# Altium PCB Freezer_Power.PcbDoc (part 1 of 3) (continued)
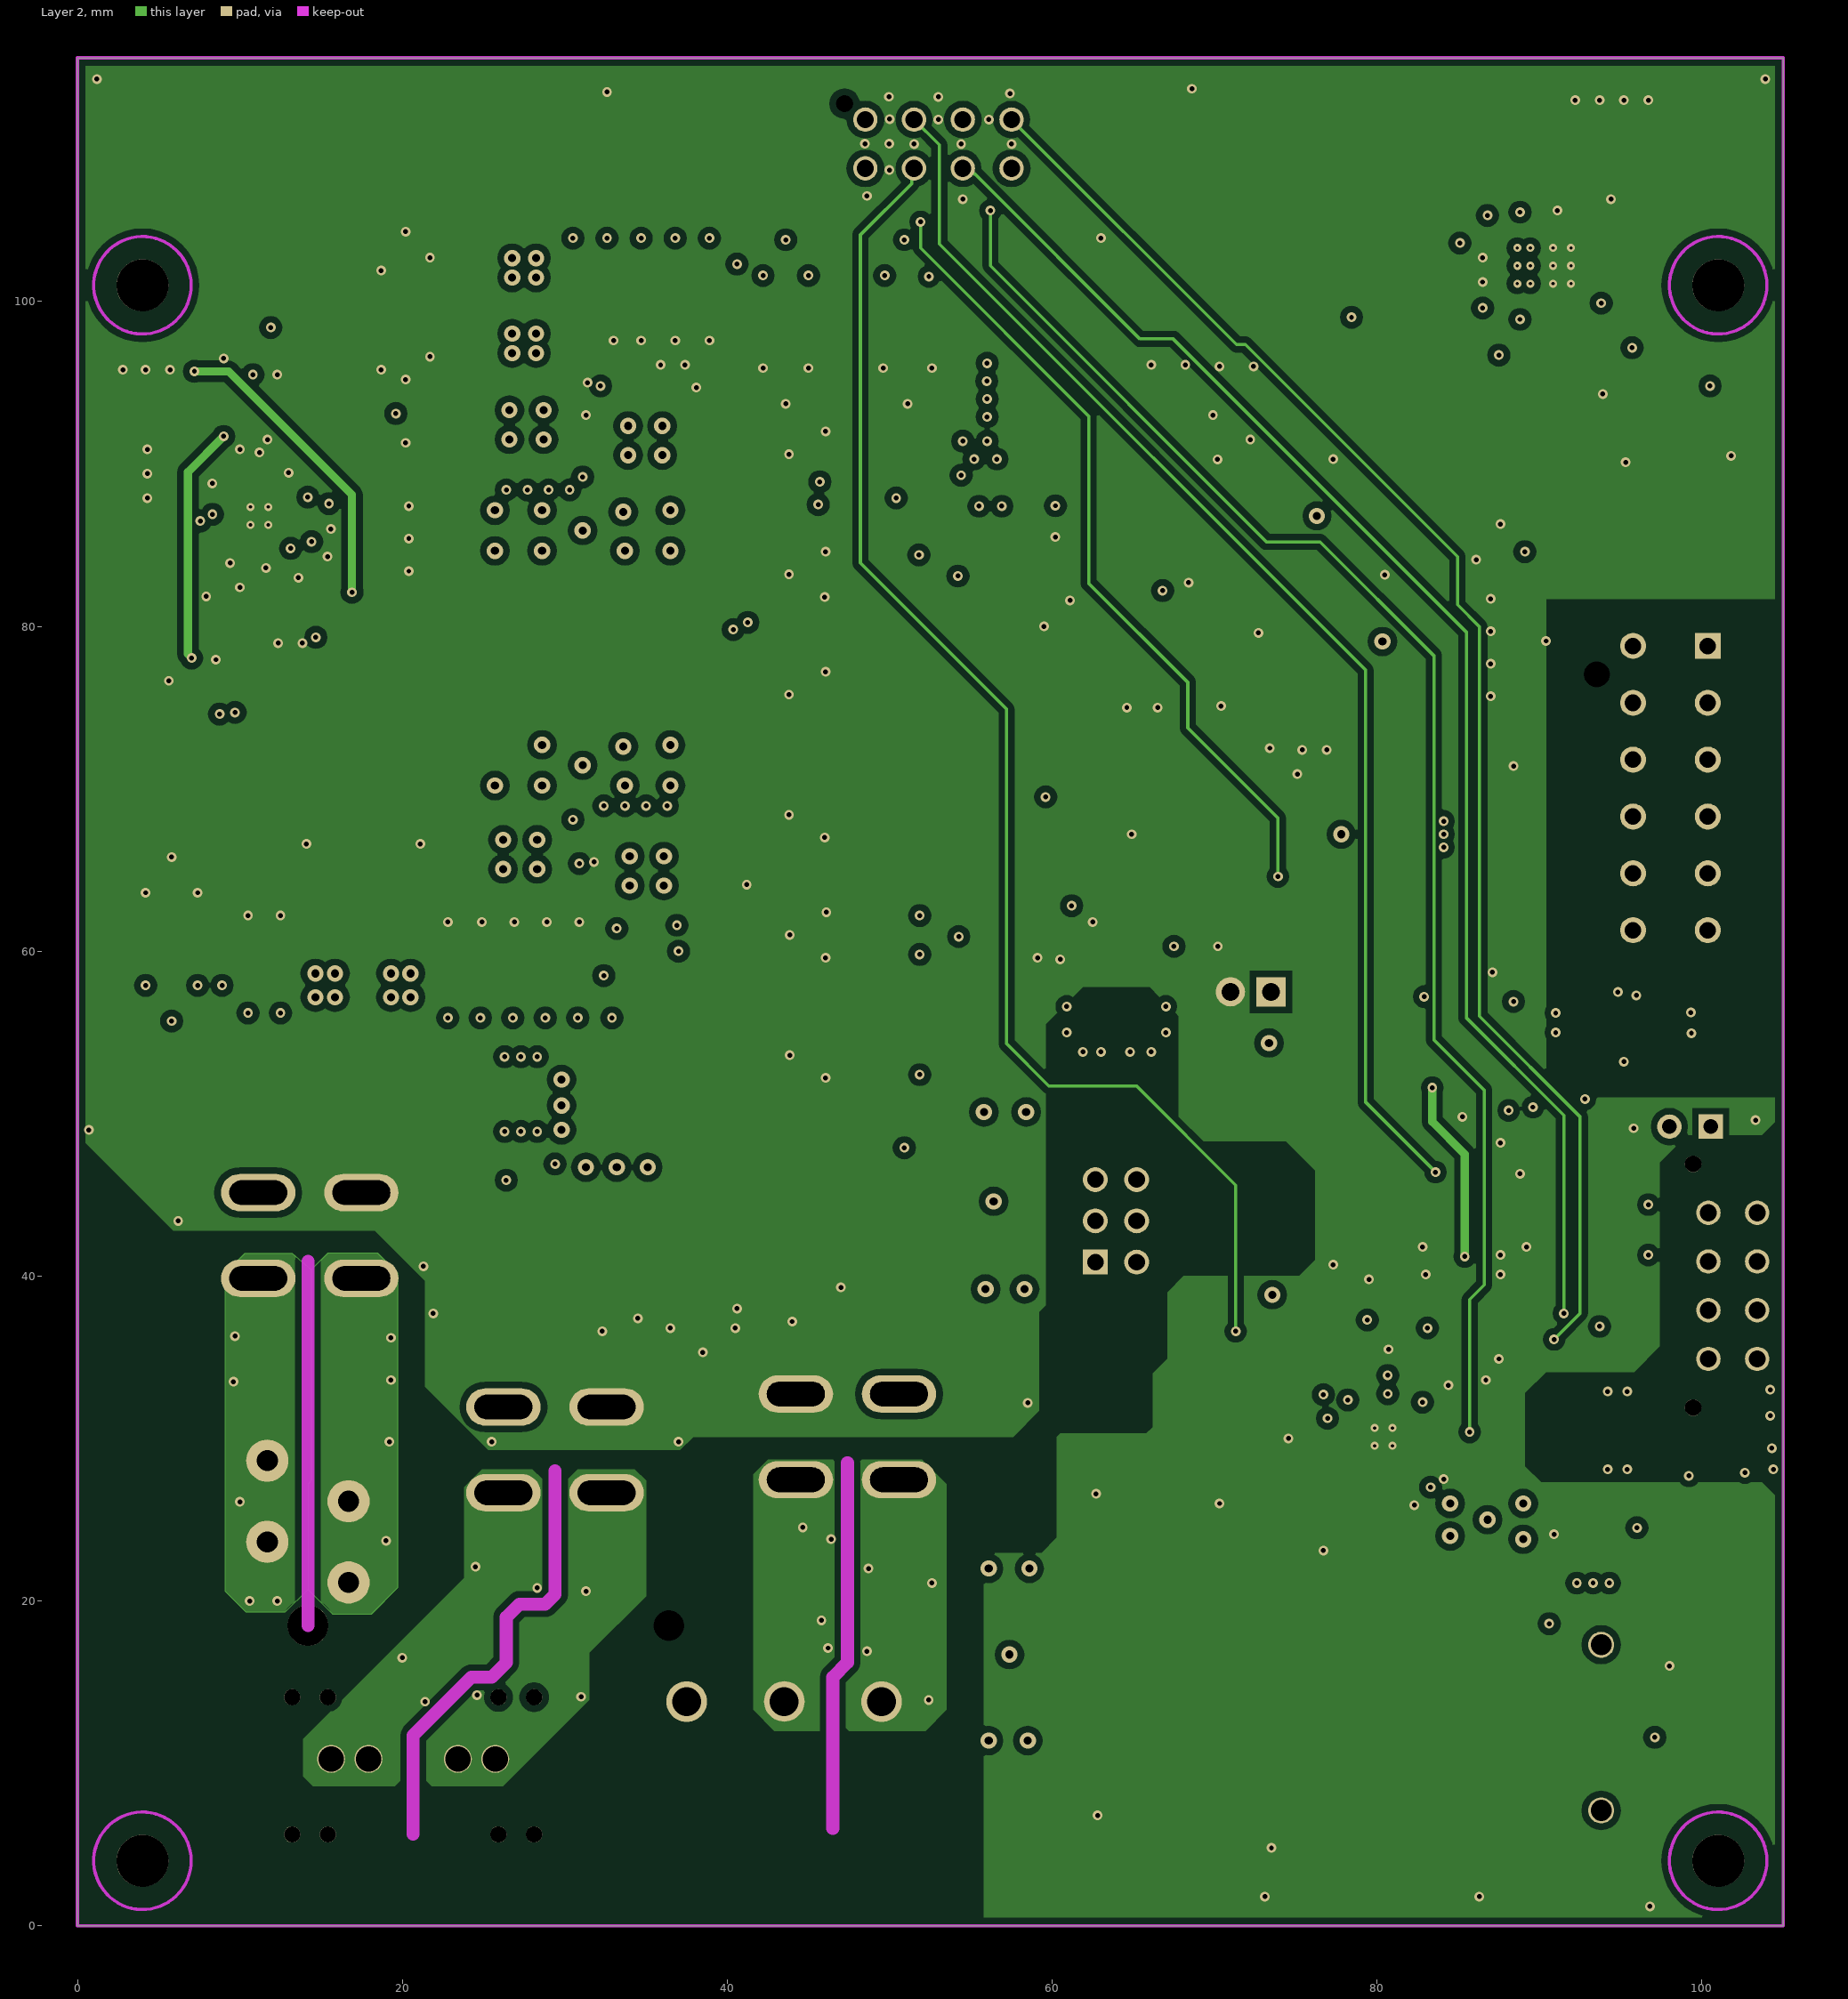
[diagram p3: Layer 2]
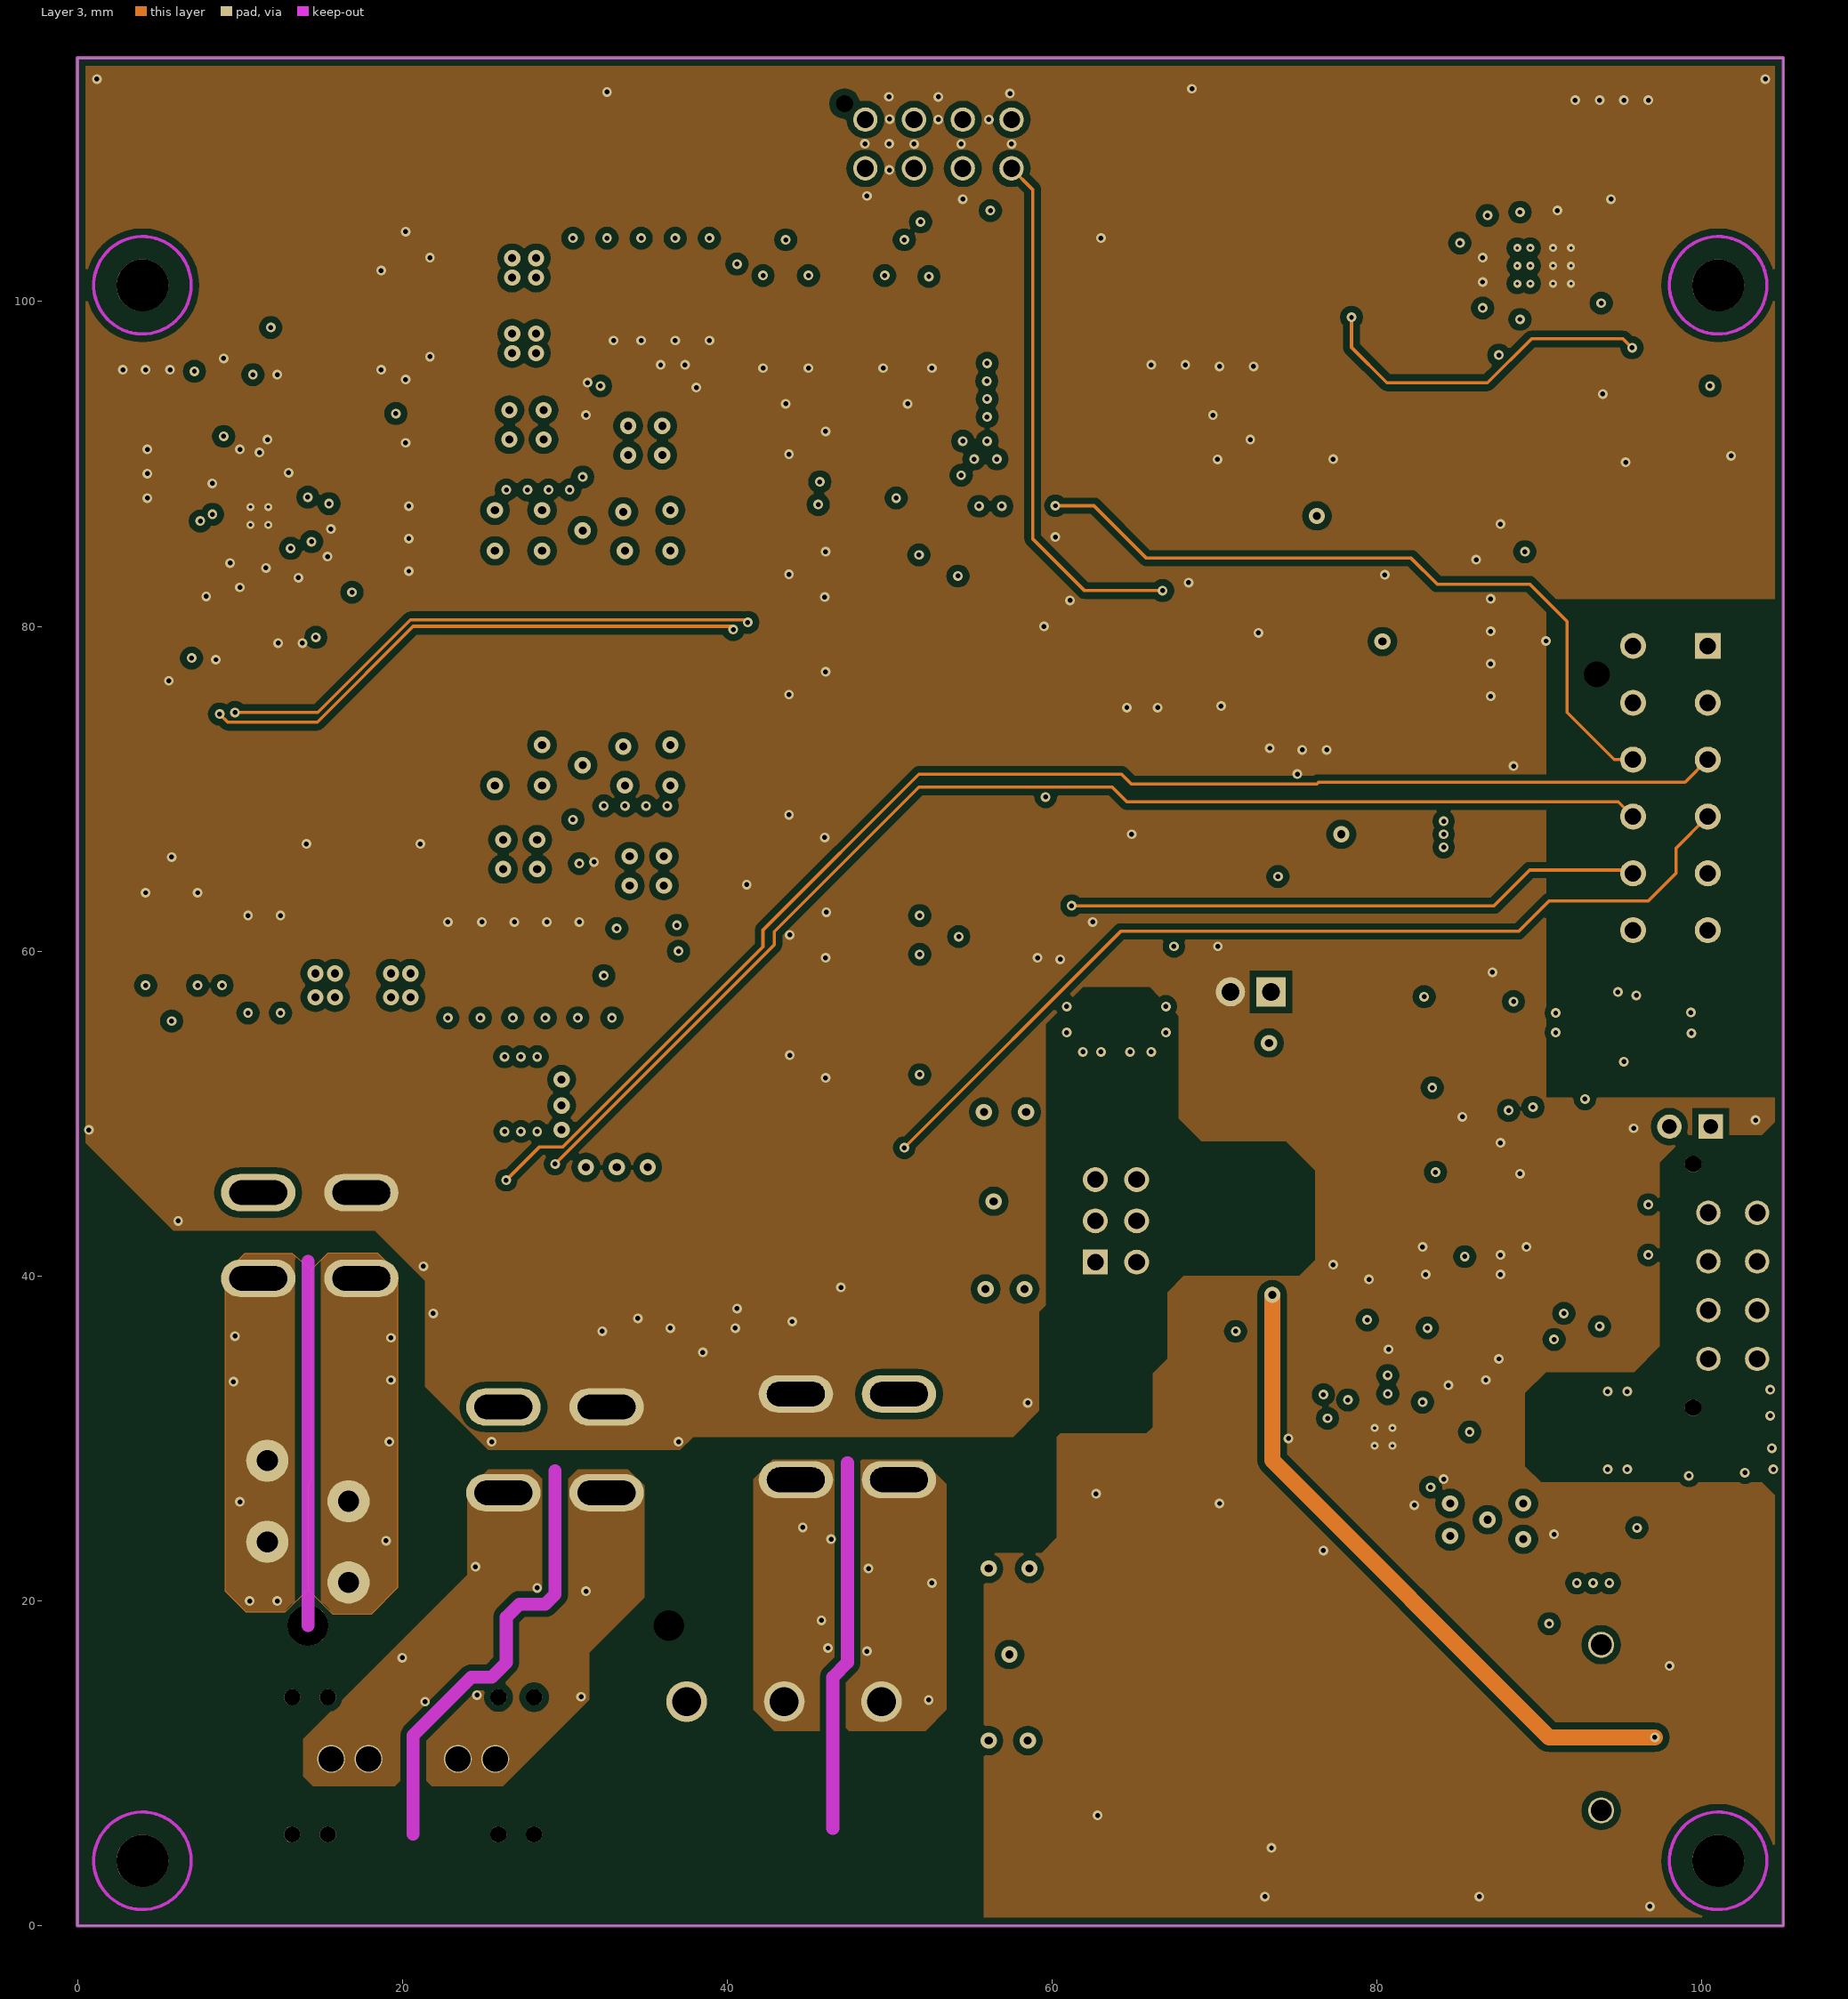
[diagram p4: Layer 3]
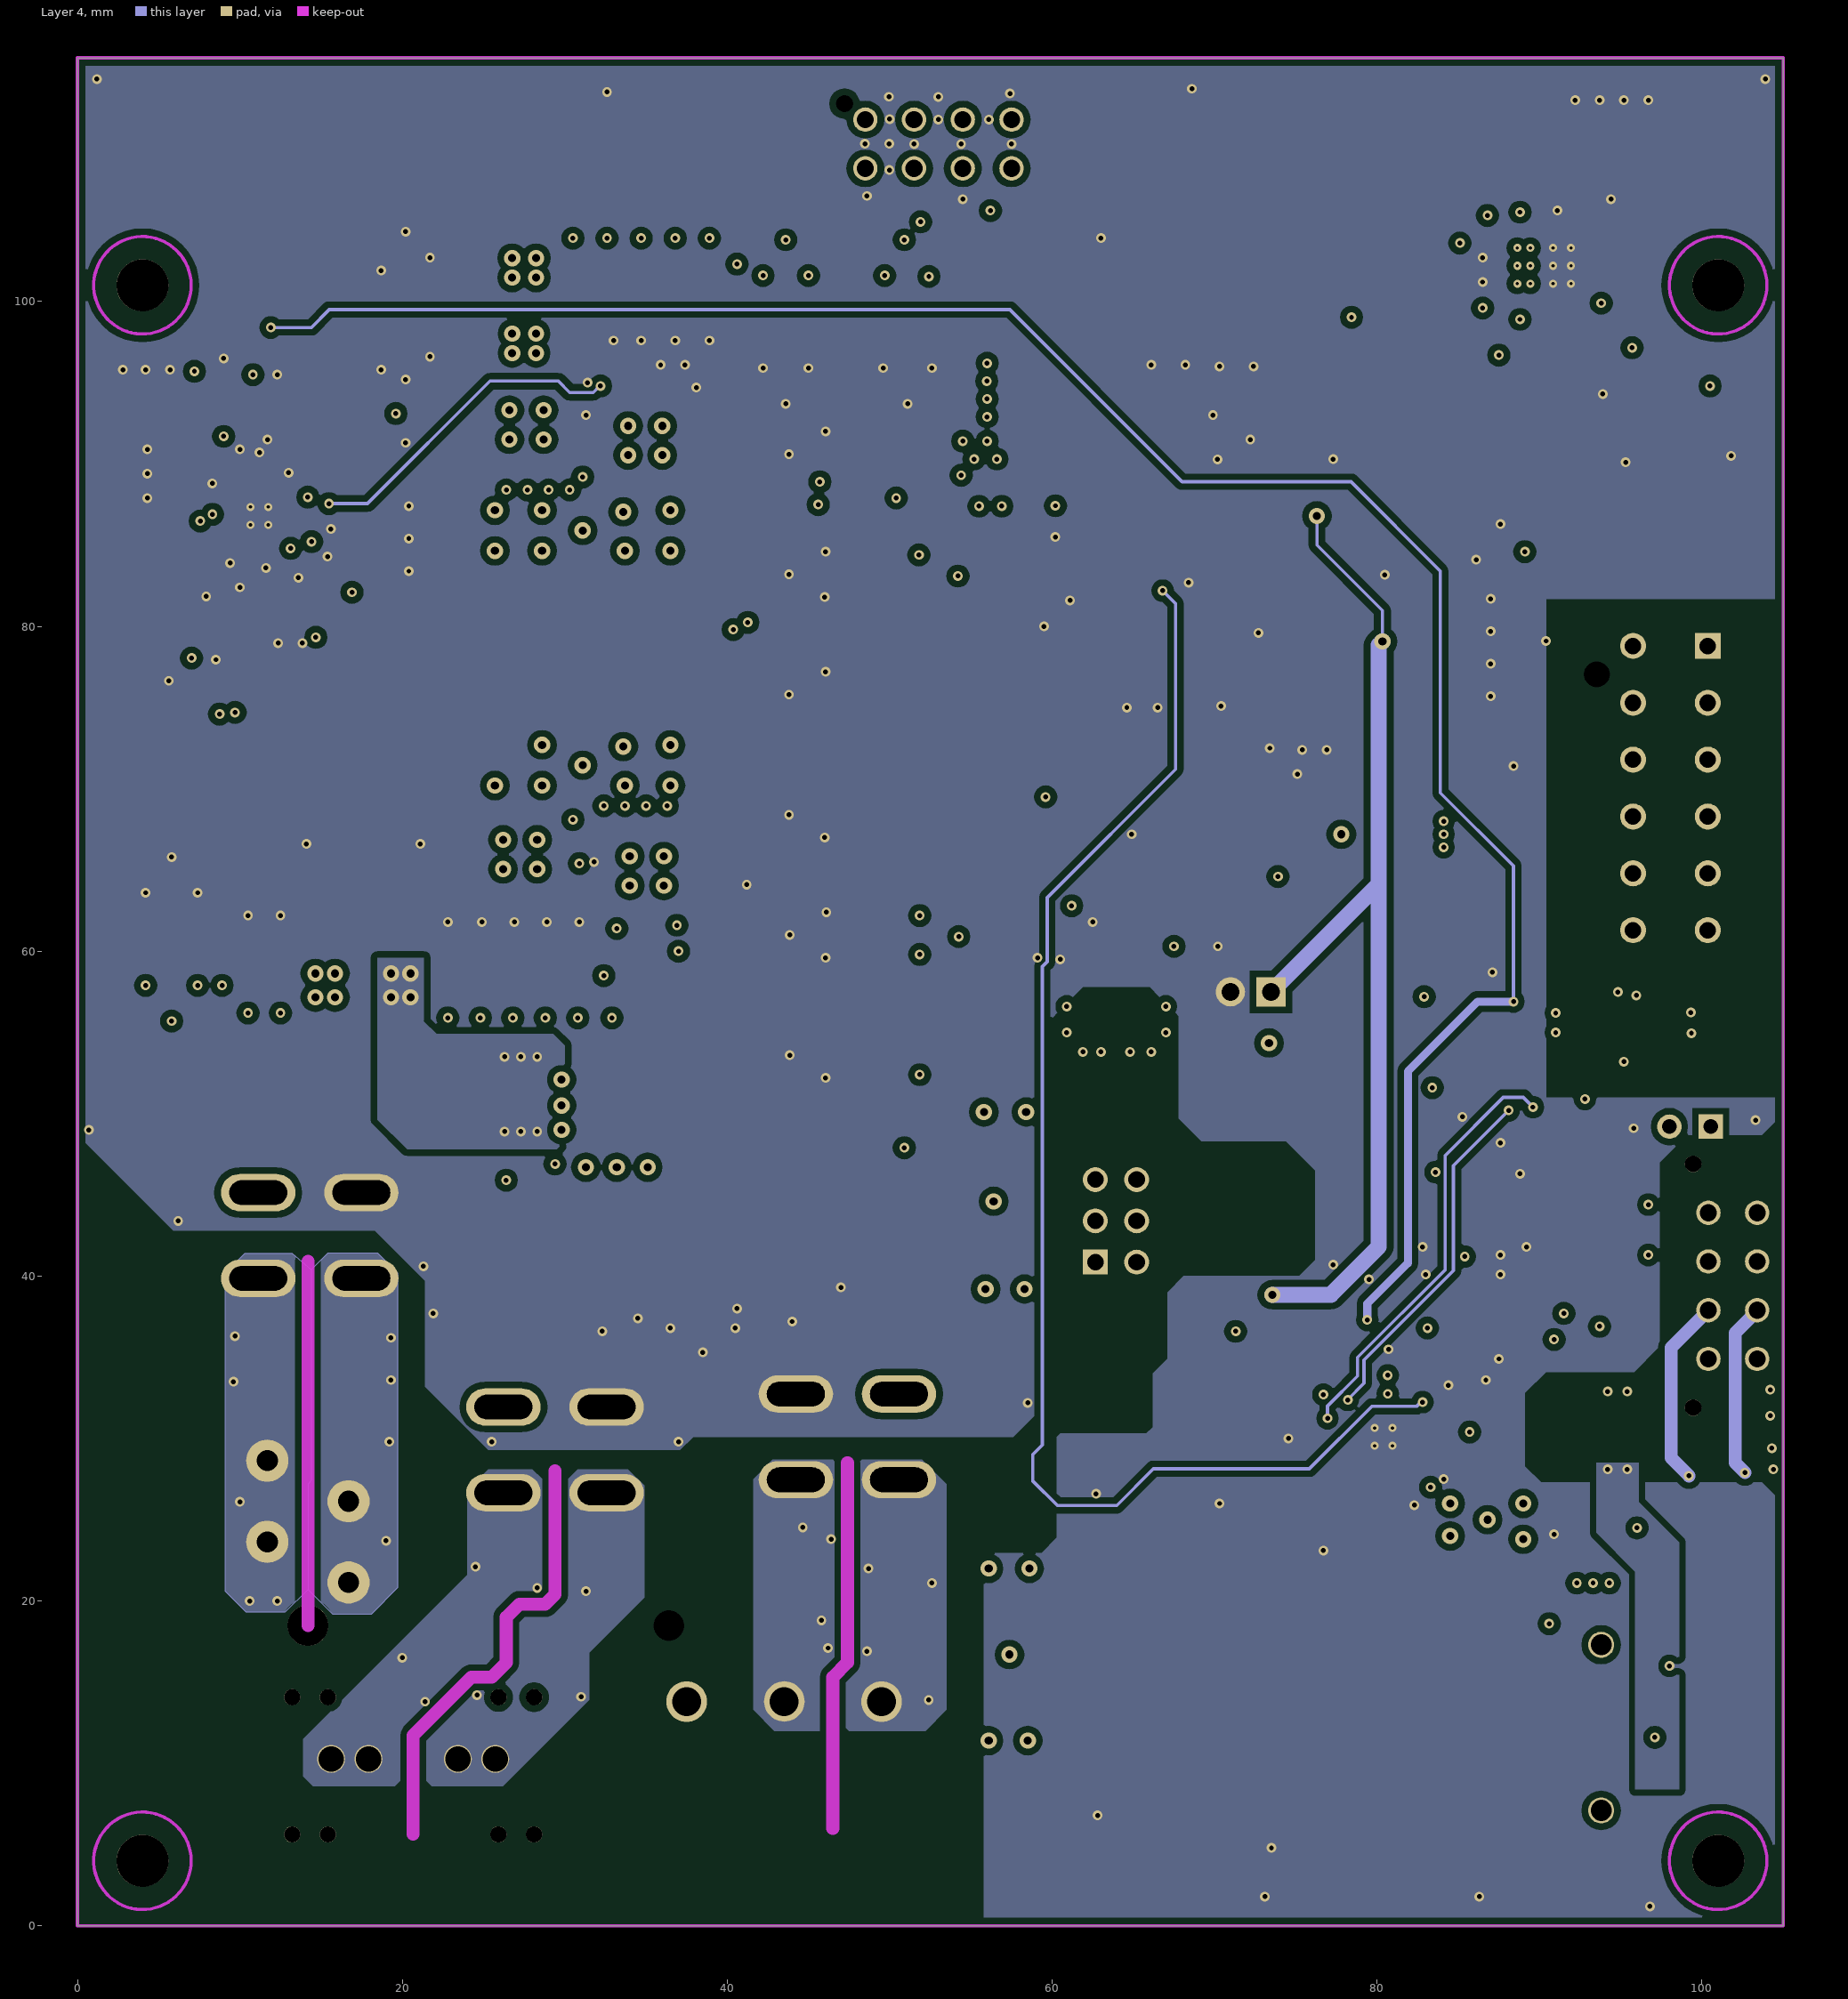
[diagram p5: Layer 4]
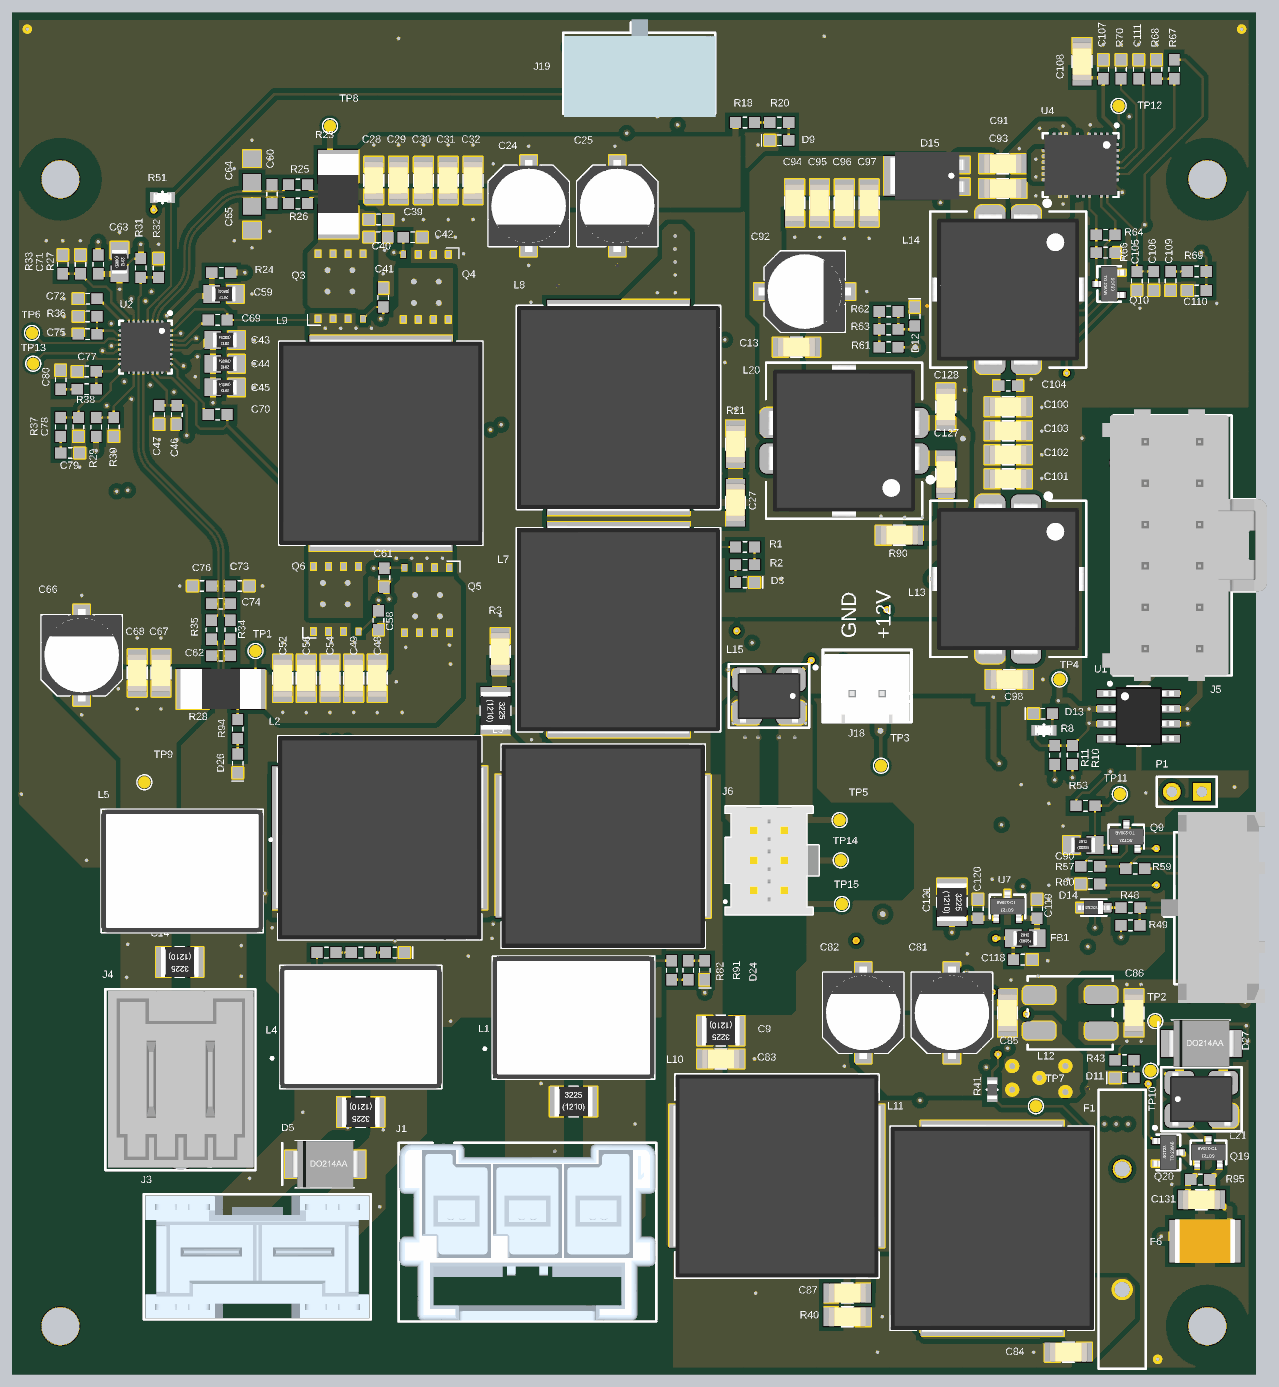
[diagram p8: 3D render of the assembled board from above, using the file's embedded part models]
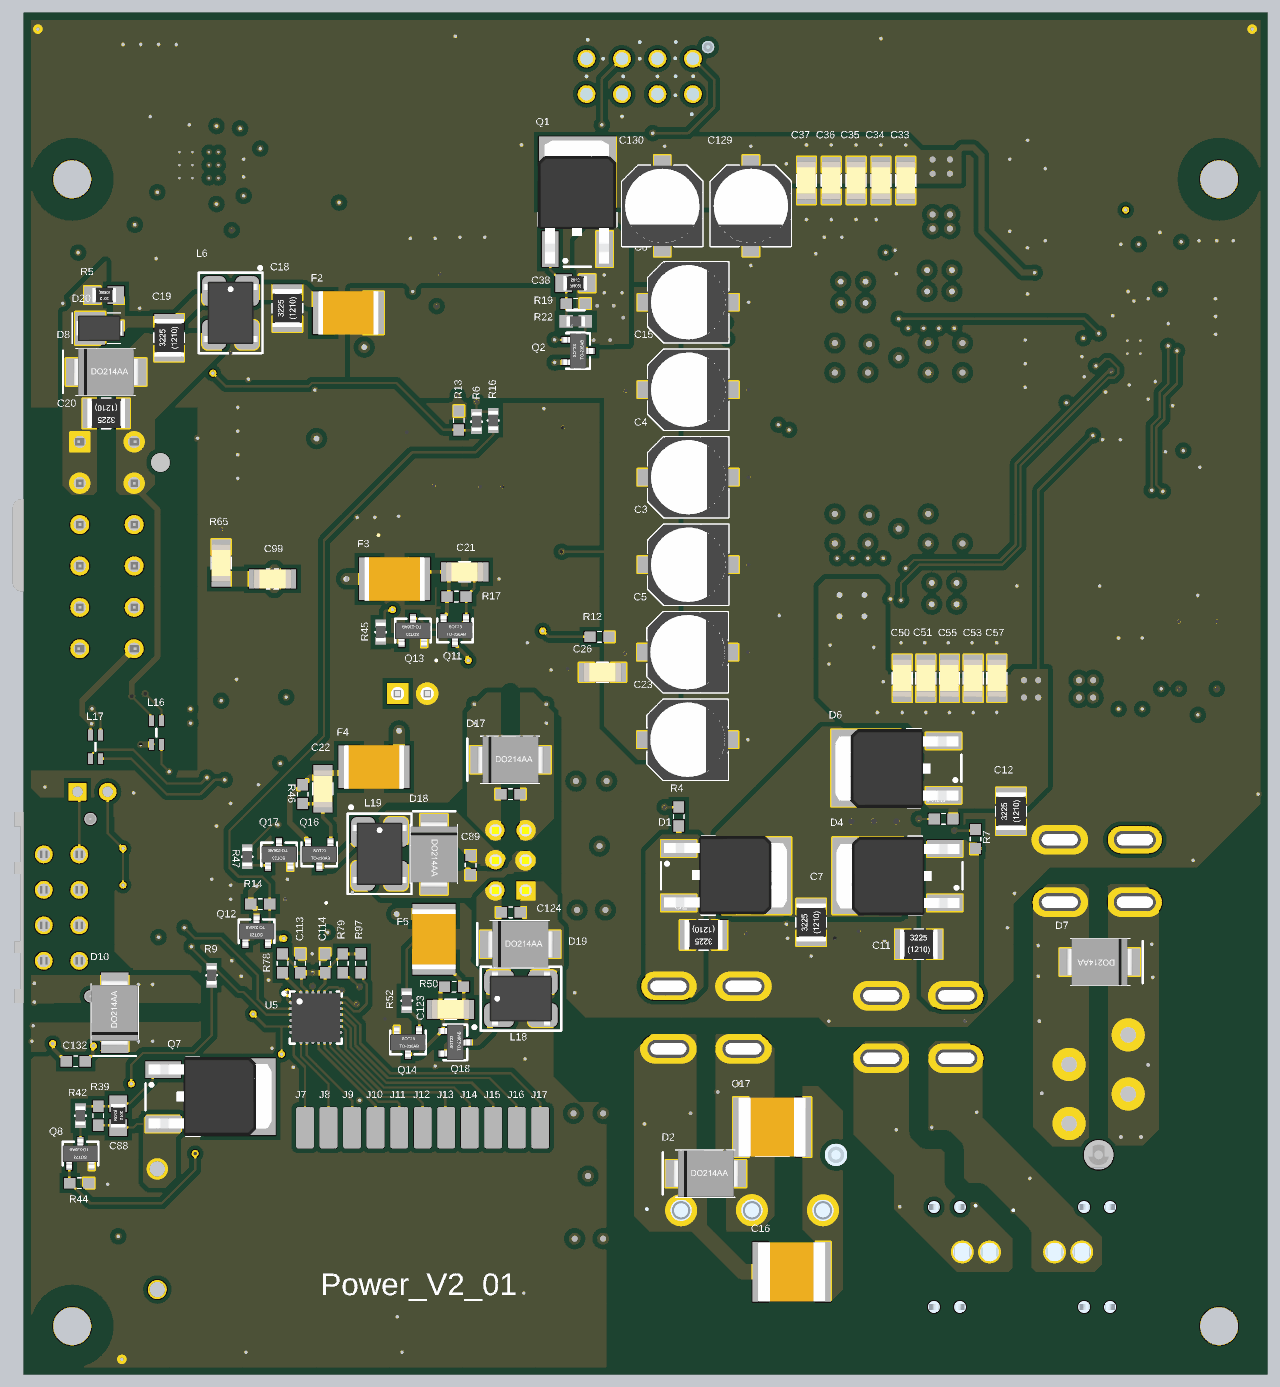
[diagram p9: 3D render of the assembled board from below, using the file's embedded part models]

## Layer stack, top to bottom
Top Solder: solder mask 0.0102, Solder Resist, Dk 3.5
Top Layer: signal copper 0.036
Dielectric 1: core 0.254, FR-4, Dk 4.2
Layer 1: signal copper 0.036
Dielectric 3: prepreg 0.254, Dk 4.2
Layer 2: signal copper 0.036
Dielectric 5: prepreg 0.381, PP-006, Dk 4.1
Layer 3: signal copper 0.035
Dielectric 4: prepreg 0.254, PP-006, Dk 4.1
Layer 4: signal copper 0.035
Dielectric 2: core 0.254, Dk 4.2
Bottom Layer: signal copper 0.036
Bottom Solder: solder mask 0.0102, Solder Resist, Dk 3.5

## Board outline
0,0 0,115 105,115 105,0
